# Allegro board 8880F5-0823__zarif.brd (continued)
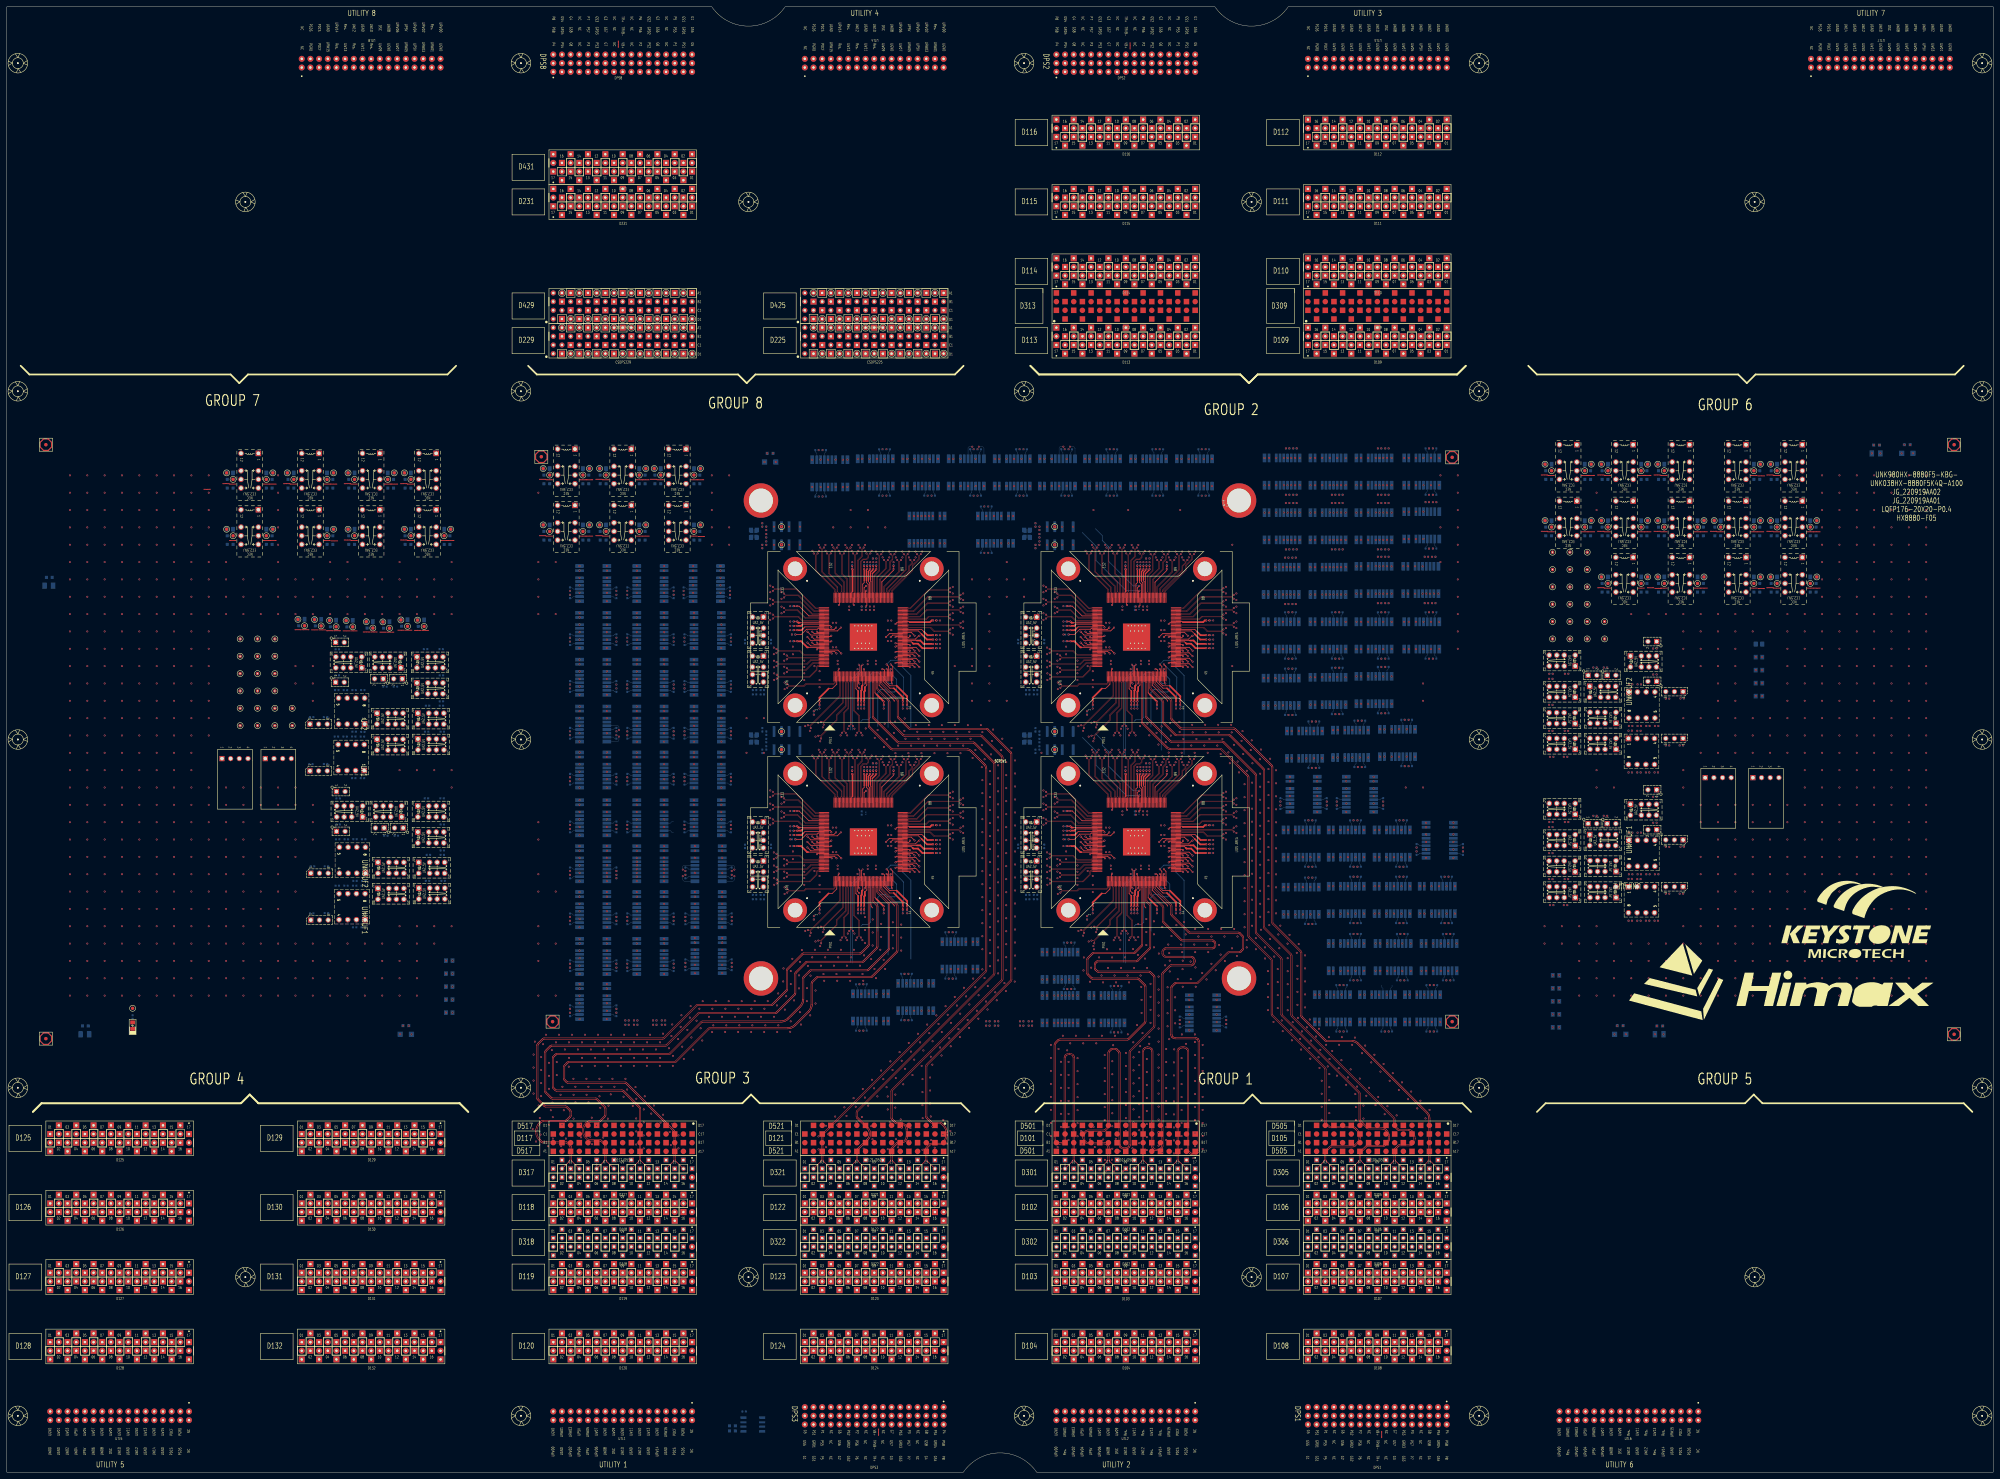
[diagram p0: board, top side]
## Routing (per net, layer and track width the routed paths; a pad name or vN(x,y) marks a point on that pad's centre or on a via; arc(x,y) is an arc through that point) (continued)
D30108: length 192.4
  TOP w0.147: D301.08 323.01,91.01 arc(322.85,91.25) 322.8,91.53 322.8,95.07 arc(322.68,95.64) 322.36,96.12 arc(321.88,96.44) 321.32,96.55 316.66,96.55 arc(316.32,96.62) 316.04,96.81 316.03,96.81 arc(315.6,97.46) 315.45,98.22 arc(315.6,98.97) 316.02,99.6 arc(316.3,99.78) 316.62,99.85 321.27,99.85 arc(321.55,99.9) 321.79,100.06 322.58,100.85 arc(322.74,101.09) 322.8,101.37 322.8,122.89 arc(322.82,123.02) 322.9,123.13 323.43,123.67 arc(323.54,123.74) 323.67,123.77 324.64,123.77 arc(324.77,123.74) 324.88,123.67 325.55,123 arc(325.62,122.88) 325.65,122.75 325.65,95.92 arc(325.73,95.49) 325.98,95.13 arc(326.54,94.75) 327.21,94.61 327.44,94.61 arc(328.11,94.75) 328.68,95.13 arc(328.92,95.5) 329.01,95.93 329.01,123.08 arc(329.04,123.21) 329.11,123.32 336.01,130.22 arc(336.17,130.46) 336.22,130.74 336.22,145.03 arc(336.17,145.31) 336.01,145.55 334.97,146.59 arc(334.73,146.75) 334.45,146.8 319.65,146.8 arc(319.52,146.83) 319.41,146.9 318.93,147.39 arc(318.85,147.5) 318.83,147.63 318.83,148.81 arc(318.85,148.94) 318.93,149.05 319.27,149.39 arc(319.38,149.46) 319.51,149.49 330.73,149.49 arc(331.01,149.55) 331.25,149.7 334.77,153.23 arc(334.93,153.47) 334.99,153.75 334.99,165.93 arc(334.93,166.21) 334.77,166.45 333.93,167.29 arc(333.85,167.4) 333.83,167.53 333.83,171.32 333.83,171.33 SITE4.30
D30110: length 192.4
  TOP w0.147: D301.10 332.3,91 arc(332.46,91.24) 332.52,91.52 332.52,123.31 arc(332.6,123.73) 332.84,124.09 arc(333.41,124.48) 334.09,124.61 arc(334.75,124.48) 335.31,124.1 335.32,124.1 arc(335.54,123.76) 335.62,123.36 335.62,95.4 arc(335.67,95.17) 335.8,94.98 arc(336.26,94.67) 336.81,94.56 arc(337.43,94.68) 337.95,95.03 arc(338.12,95.28) 338.18,95.57 338.18,145.87 arc(338.23,146.16) 338.39,146.4 340.45,148.45 arc(340.69,148.61) 340.97,148.67 346.73,148.67 arc(347,148.72) 347.23,148.87 347.28,148.92 arc(347.52,149.29) 347.61,149.73 arc(347.52,150.17) 347.27,150.55 347.27,150.55 arc(347.04,150.7) 346.77,150.76 339.36,150.76 arc(339.08,150.81) 338.84,150.97 338.47,151.34 arc(338.31,151.59) 338.25,151.88 338.25,152.52 arc(338.31,152.81) 338.47,153.06 338.85,153.44 arc(339.09,153.6) 339.37,153.65 353.04,153.65 arc(353.17,153.68) 353.28,153.75 353.56,154.03 arc(353.62,154.12) 353.64,154.22 353.64,154.91 arc(353.61,155.04) 353.54,155.16 353.21,155.48 arc(353.1,155.56) 352.97,155.58 344.23,155.58 arc(343.95,155.64) 343.71,155.8 338.57,160.94 arc(338.45,161.12) 338.41,161.32 338.41,165.42 arc(338.39,165.55) 338.31,165.66 334.85,169.13 arc(334.69,169.37) 334.63,169.65 334.63,171.32 334.63,171.33 SITE4.32
D30112: length 192.4
  TOP w0.147: D301.12 333.13,91.05 arc(332.97,91.29) 332.91,91.57 332.91,123.31 arc(332.97,123.58) 333.12,123.81 arc(333.57,124.11) 334.09,124.21 arc(334.6,124.11) 335.03,123.82 arc(335.18,123.61) 335.23,123.36 335.23,95.4 arc(335.3,95.02) 335.52,94.7 arc(336.11,94.3) 336.81,94.16 arc(337.58,94.31) 338.23,94.75 arc(338.49,95.13) 338.57,95.57 338.57,145.87 arc(338.6,146) 338.67,146.11 340.73,148.17 arc(340.84,148.24) 340.97,148.27 346.73,148.27 arc(347.15,148.35) 347.51,148.59 347.56,148.64 arc(347.89,149.14) 348.01,149.73 arc(347.89,150.33) 347.55,150.83 arc(347.2,151.07) 346.77,151.15 339.36,151.15 arc(339.23,151.18) 339.12,151.25 338.76,151.62 arc(338.67,151.74) 338.65,151.88 338.65,152.52 arc(338.67,152.66) 338.76,152.78 339.13,153.16 arc(339.24,153.23) 339.37,153.26 353.04,153.26 arc(353.32,153.31) 353.56,153.47 353.7,153.61 353.84,153.75 arc(353.99,153.97) 354.04,154.22 354.04,154.91 arc(353.98,155.2) 353.82,155.44 353.49,155.76 arc(353.25,155.92) 352.97,155.98 344.23,155.98 arc(344.1,156) 343.99,156.08 338.85,161.22 arc(338.82,161.27) 338.81,161.32 338.81,165.42 arc(338.75,165.71) 338.59,165.94 335.13,169.41 arc(335.05,169.52) 335.03,169.65 335.03,171.32 335.03,171.33 SITE4.33
D30114: length 192.4
  TOP w0.147: D301.14 342.47,91.01 arc(342.63,91.25) 342.69,91.53 342.69,123.33 arc(342.77,123.77) 343.03,124.15 arc(343.62,124.54) 344.32,124.68 344.49,124.68 arc(345.18,124.55) 345.77,124.15 345.77,124.15 arc(346.02,123.79) 346.1,123.35 346.1,94.29 arc(346.13,94.16) 346.2,94.05 346.55,93.71 arc(346.99,93.41) 347.5,93.31 arc(348.02,93.41) 348.46,93.71 348.75,93.99 348.75,94 arc(348.83,94.11) 348.85,94.24 348.85,126.09 arc(348.79,126.41) 348.61,126.68 348.61,126.68 arc(348.34,126.86) 348.02,126.92 342.13,126.92 arc(341.62,127.02) 341.19,127.31 341.19,127.31 arc(340.91,127.74) 340.81,128.25 340.81,141.92 arc(340.86,142.2) 341.02,142.44 341.88,143.3 arc(342.12,143.46) 342.4,143.52 348.48,143.52 arc(348.61,143.55) 348.72,143.62 357.43,152.33 arc(357.67,152.49) 357.95,152.54 360.91,152.54 arc(361.04,152.57) 361.15,152.64 361.66,153.15 arc(361.73,153.27) 361.76,153.4 361.76,156.72 arc(361.73,156.85) 361.66,156.96 360.89,157.73 arc(360.78,157.8) 360.65,157.83 346.49,157.83 arc(346.21,157.89) 345.97,158.05 341.02,162.99 arc(340.86,163.23) 340.81,163.51 340.81,165.84 arc(340.78,165.97) 340.71,166.08 335.83,170.95 335.83,171.32 335.83,171.33 SITE4.35
D30116: length 192.4
  TOP w0.147: D301.16 343.3,91.04 arc(343.14,91.28) 343.08,91.56 343.08,123.33 arc(343.14,123.62) 343.31,123.87 343.31,123.87 arc(343.77,124.18) 344.32,124.29 344.49,124.29 arc(345.03,124.18) 345.49,123.87 345.49,123.87 arc(345.65,123.63) 345.71,123.35 345.71,94.29 arc(345.76,94.01) 345.92,93.77 346.27,93.43 arc(346.83,93.05) 347.5,92.91 arc(348.17,93.05) 348.74,93.43 349.03,93.71 arc(349.19,93.95) 349.25,94.24 349.25,126.09 arc(349.15,126.56) 348.89,126.96 arc(348.49,127.23) 348.02,127.32 342.13,127.32 arc(341.77,127.39) 341.47,127.59 341.47,127.59 arc(341.27,127.89) 341.2,128.25 341.2,141.92 arc(341.23,142.05) 341.3,142.16 342.16,143.02 arc(342.27,143.1) 342.4,143.12 348.48,143.12 arc(348.77,143.18) 349.01,143.34 357.71,152.05 arc(357.82,152.12) 357.95,152.15 360.91,152.15 arc(361.19,152.2) 361.43,152.36 361.94,152.87 arc(362.1,153.11) 362.15,153.4 362.15,156.72 arc(362.1,157) 361.94,157.24 361.17,158.01 arc(360.93,158.17) 360.65,158.23 346.49,158.23 arc(346.36,158.25) 346.25,158.33 341.3,163.27 arc(341.23,163.38) 341.2,163.51 341.2,165.84 arc(341.15,166.12) 340.99,166.36 336.23,171.12 336.23,171.32 336.23,171.33 SITE4.36
D30502: length 192.4
  TOP w0.147: SITE2.26 332.23,231.33 332.23,231.32 332.23,219.76 arc(332.29,219.48) 332.45,219.24 339.52,212.17 arc(340.09,211.79) 340.76,211.66 355.4,211.66 arc(355.46,211.64) 355.51,211.61 363.26,203.86 arc(363.34,203.74) 363.36,203.61 363.36,157.18 arc(363.42,156.9) 363.58,156.66 370.12,150.11 arc(370.2,150) 370.22,149.87 370.22,134.19 arc(370.28,133.9) 370.44,133.66 385.85,118.25 arc(385.92,118.14) 385.95,118.01 385.95,102.48 arc(386,102.2) 386.16,101.96 386.98,101.14 arc(387.22,100.98) 387.5,100.93 393.91,100.93 arc(394.36,100.84) 394.75,100.58 395.1,100.22 arc(395.74,99.27) 395.96,98.15 395.96,98.15 arc(395.79,97.27) 395.29,96.52 394.59,95.82 arc(394.41,95.7) 394.19,95.66 387.9,95.66 arc(387.62,95.6) 387.38,95.44 386.07,94.13 arc(385.91,93.89) 385.85,93.61 385.85,91.52 arc(385.8,91.24) 385.64,91 D305.02
D30504: length 192.4
  TOP w0.147: SITE2.27 332.63,231.33 332.63,231.32 332.63,219.76 arc(332.65,219.63) 332.73,219.52 339.8,212.45 arc(340.24,212.16) 340.76,212.05 355.4,212.05 arc(355.61,212.01) 355.79,211.89 363.54,204.14 arc(363.7,203.9) 363.76,203.61 363.76,157.18 arc(363.78,157.05) 363.86,156.94 370.4,150.39 arc(370.56,150.16) 370.62,149.87 370.62,134.19 arc(370.64,134.05) 370.72,133.94 386.13,118.53 arc(386.29,118.29) 386.34,118.01 386.34,102.48 arc(386.37,102.35) 386.44,102.24 387.26,101.42 arc(387.37,101.35) 387.5,101.32 393.91,101.32 arc(394.52,101.2) 395.03,100.86 395.38,100.51 arc(396.11,99.43) 396.36,98.15 396.36,98.15 arc(396.15,97.12) 395.57,96.24 394.87,95.54 arc(394.56,95.34) 394.19,95.26 387.9,95.26 arc(387.77,95.24) 387.66,95.16 386.35,93.85 arc(386.28,93.74) 386.25,93.61 386.25,91.57 arc(386.31,91.29) 386.47,91.05 D305.04
D30506: length 192.4
  TOP w0.147: D305.06 395.8,91 arc(395.96,91.24) 396.01,91.52 396.01,93.35 arc(396.07,93.64) 396.23,93.88 397.9,95.55 arc(398.14,95.71) 398.42,95.77 403,95.77 arc(403.23,95.81) 403.43,95.95 404.01,96.52 arc(404.38,97.08) 404.51,97.73 404.51,98.2 arc(404.31,99.21) 403.74,100.07 arc(403.24,100.4) 402.65,100.52 398.73,100.52 arc(398.45,100.57) 398.21,100.73 396.16,102.78 arc(396,103.02) 395.94,103.3 395.94,110.85 arc(395.92,110.98) 395.84,111.09 373.28,133.65 arc(373.12,133.89) 373.07,134.17 373.07,150.26 arc(373.04,150.39) 372.97,150.5 365.78,157.69 arc(365.62,157.93) 365.56,158.21 365.56,204.16 arc(365.54,204.29) 365.46,204.4 356.18,213.68 arc(356.07,213.75) 355.94,213.78 341.07,213.78 arc(340.79,213.83) 340.55,213.99 333.65,220.9 arc(333.49,221.14) 333.43,221.42 333.43,231.32 333.43,231.33 SITE2.29
D30508: length 192.4
  TOP w0.147: D305.08 396.63,91.05 arc(396.47,91.29) 396.41,91.58 396.41,93.35 arc(396.44,93.48) 396.51,93.6 398.18,95.27 arc(398.29,95.34) 398.42,95.37 403,95.37 arc(403.39,95.45) 403.71,95.67 404.29,96.24 arc(404.75,96.93) 404.91,97.73 404.91,98.2 arc(404.68,99.36) 404.02,100.35 404.02,100.35 arc(403.39,100.76) 402.65,100.91 398.73,100.91 arc(398.6,100.94) 398.49,101.01 396.44,103.06 arc(396.37,103.17) 396.34,103.3 396.34,110.85 arc(396.28,111.13) 396.12,111.37 373.56,133.93 arc(373.49,134.04) 373.46,134.17 373.46,150.26 arc(373.41,150.54) 373.25,150.78 366.06,157.97 arc(365.98,158.08) 365.96,158.21 365.96,204.16 arc(365.9,204.44) 365.74,204.68 356.46,213.96 arc(356.22,214.12) 355.94,214.17 341.07,214.17 arc(340.94,214.2) 340.83,214.27 333.93,221.18 arc(333.85,221.29) 333.83,221.42 333.83,231.32 333.83,231.33 SITE2.30
D30510: length 192.4
  TOP w0.147: D305.10 405.97,91.01 arc(406.13,91.25) 406.19,91.53 406.19,94.3 arc(406.25,94.61) 406.42,94.87 407.29,95.74 arc(407.55,95.91) 407.86,95.97 410.79,95.97 arc(411.11,96.04) 411.38,96.22 arc(411.86,96.94) 412.03,97.79 412.03,97.79 arc(411.82,98.82) 411.24,99.69 arc(410.82,99.97) 410.32,100.07 407.7,100.07 arc(407.42,100.12) 407.18,100.28 406.33,101.13 arc(406.17,101.37) 406.12,101.65 406.12,103.38 arc(406.09,103.51) 406.02,103.62 376.2,133.44 arc(376.04,133.68) 375.98,133.97 375.98,151.27 arc(375.95,151.4) 375.88,151.51 368.14,159.26 arc(367.98,159.49) 367.92,159.78 367.92,205.65 arc(367.9,205.78) 367.82,205.89 358.11,215.6 arc(358,215.68) 357.87,215.7 342.53,215.7 arc(342.25,215.76) 342.01,215.92 338.61,219.32 arc(338.45,219.56) 338.4,219.84 338.4,225.54 arc(338.37,225.67) 338.3,225.79 334.85,229.24 arc(334.69,229.47) 334.63,229.76 334.63,231.32 334.63,231.33 SITE2.32
D30512: length 192.4
  TOP w0.147: D305.12 406.8,91.04 arc(406.64,91.28) 406.58,91.56 406.58,94.3 arc(406.61,94.46) 406.71,94.59 407.57,95.46 arc(407.7,95.55) 407.86,95.58 410.79,95.58 arc(411.26,95.67) 411.66,95.94 arc(412.22,96.79) 412.42,97.79 412.42,97.79 arc(412.19,98.97) 411.52,99.97 411.52,99.97 arc(410.97,100.34) 410.32,100.46 407.7,100.46 arc(407.57,100.49) 407.46,100.56 406.61,101.41 arc(406.54,101.52) 406.51,101.65 406.51,103.38 arc(406.46,103.67) 406.3,103.9 376.48,133.72 arc(376.4,133.84) 376.38,133.97 376.38,151.27 arc(376.32,151.56) 376.16,151.79 368.42,159.54 arc(368.35,159.65) 368.32,159.78 368.32,205.65 arc(368.26,205.93) 368.1,206.17 358.39,215.88 arc(358.15,216.04) 357.87,216.1 342.53,216.1 arc(342.4,216.12) 342.29,216.2 338.89,219.6 arc(338.82,219.71) 338.79,219.84 338.79,225.54 arc(338.74,225.83) 338.58,226.07 335.13,229.52 arc(335.05,229.63) 335.03,229.76 335.03,231.32 335.03,231.33 SITE2.33
D30514: length 192.4
  TOP w0.147: D305.14 416.14,91.02 arc(416.3,91.26) 416.36,91.54 416.36,103.65 arc(416.2,104.46) 415.74,105.14 395.38,125.5 arc(394.7,125.95) 393.9,126.11 386.49,126.11 arc(386.21,126.17) 385.97,126.33 379.06,133.24 arc(378.9,133.48) 378.85,133.76 378.85,152.17 arc(378.82,152.3) 378.75,152.41 370.57,160.58 arc(370.41,160.82) 370.36,161.11 370.36,206.58 arc(370.33,206.71) 370.26,206.82 359.55,217.53 arc(359.44,217.61) 359.3,217.63 344.01,217.63 arc(343.73,217.69) 343.49,217.85 340.99,220.35 arc(340.83,220.59) 340.77,220.87 340.77,225.87 arc(340.75,226) 340.67,226.11 335.83,230.95 335.83,231.32 335.83,231.33 SITE2.35
D30516: length 192.4
  TOP w0.147: D305.16 416.97,91.03 arc(416.81,91.27) 416.76,91.55 416.76,103.65 arc(416.57,104.61) 416.03,105.42 395.66,125.78 arc(394.86,126.32) 393.9,126.51 386.49,126.51 arc(386.36,126.54) 386.25,126.61 379.34,133.52 arc(379.27,133.63) 379.24,133.76 379.24,152.17 arc(379.19,152.45) 379.03,152.69 370.85,160.86 arc(370.78,160.98) 370.75,161.11 370.75,206.58 arc(370.7,206.86) 370.54,207.1 359.83,217.81 arc(359.59,217.97) 359.3,218.03 344.01,218.03 arc(343.88,218.05) 343.77,218.13 341.27,220.63 arc(341.2,220.74) 341.17,220.87 341.17,225.87 arc(341.11,226.15) 340.95,226.39 336.23,231.12 336.23,231.32 336.23,231.33 SITE2.36
D31702: length 192.4
  TOP w0.147: D317.02 164.7,91.04 arc(164.86,91.27) 164.91,91.56 164.91,95.29 arc(164.89,95.42) 164.81,95.53 164.03,96.32 arc(163.91,96.39) 163.78,96.42 157,96.42 arc(156.71,96.47) 156.47,96.63 155.8,97.31 arc(155.07,98.39) 154.82,99.67 arc(155.13,101.25) 156.03,102.59 156.08,102.64 arc(156.58,102.97) 157.16,103.09 163.5,103.09 arc(163.63,103.11) 163.74,103.19 164.81,104.26 arc(164.89,104.37) 164.91,104.5 164.91,105.59 arc(164.89,105.72) 164.81,105.83 163.8,106.84 arc(163.69,106.91) 163.56,106.94 157.81,106.94 arc(157.52,107) 157.29,107.15 155.37,109.07 arc(155.21,109.31) 155.15,109.59 155.15,125.04 arc(155.21,125.32) 155.37,125.56 156.82,127.02 arc(157.06,127.18) 157.34,127.23 192.08,127.23 arc(192.21,127.26) 192.32,127.33 201.84,136.86 arc(202.08,137.01) 202.36,137.07 223.86,137.07 arc(223.99,137.1) 224.1,137.17 228.16,141.23 arc(228.23,141.34) 228.26,141.47 228.26,147.03 arc(228.31,147.31) 228.47,147.55 232.83,151.91 arc(233.07,152.07) 233.35,152.13 249.77,152.13 arc(249.9,152.15) 250.01,152.23 252.13,154.35 arc(252.21,154.46) 252.23,154.59 252.23,171.32 252.23,171.33 SITE3.26
D31704: length 192.4
  TOP w0.147: D317.04 165.52,91.02 arc(165.36,91.26) 165.31,91.54 165.31,95.29 arc(165.25,95.57) 165.09,95.81 164.31,96.6 arc(164.07,96.76) 163.78,96.81 157,96.81 arc(156.86,96.84) 156.75,96.91 156.08,97.59 arc(155.44,98.54) 155.22,99.67 arc(155.5,101.1) 156.31,102.31 156.36,102.36 arc(156.73,102.61) 157.16,102.69 163.5,102.69 arc(163.78,102.75) 164.02,102.91 165.09,103.98 arc(165.25,104.22) 165.31,104.5 165.31,105.59 arc(165.25,105.87) 165.09,106.11 164.08,107.12 arc(163.84,107.28) 163.56,107.34 157.81,107.34 arc(157.68,107.36) 157.57,107.44 155.65,109.35 arc(155.58,109.46) 155.55,109.59 155.55,125.04 arc(155.58,125.17) 155.65,125.28 157.1,126.73 arc(157.21,126.81) 157.34,126.83 192.08,126.83 arc(192.36,126.89) 192.6,127.05 202.12,136.58 arc(202.23,136.65) 202.36,136.67 223.86,136.67 arc(224.14,136.73) 224.38,136.89 228.44,140.95 arc(228.6,141.18) 228.65,141.47 228.65,147.03 arc(228.68,147.16) 228.75,147.27 233.11,151.63 arc(233.22,151.71) 233.35,151.73 249.77,151.73 arc(250.05,151.79) 250.29,151.95 252.41,154.07 arc(252.57,154.31) 252.63,154.59 252.63,171.32 252.63,171.33 SITE3.27
D31706: length 192.4
  TOP w0.147: SITE3.29 253.43,171.33 253.43,171.32 253.43,167.46 arc(253.49,167.18) 253.65,166.94 254.62,165.97 arc(254.69,165.86) 254.72,165.73 254.72,153.91 arc(254.69,153.78) 254.62,153.67 250.73,149.78 arc(250.62,149.71) 250.49,149.68 234.4,149.68 arc(234.12,149.63) 233.88,149.47 230.88,146.47 arc(230.72,146.23) 230.67,145.95 230.67,140.34 arc(230.64,140.21) 230.57,140.1 225.29,134.82 arc(225.18,134.75) 225.05,134.72 202.88,134.72 arc(202.6,134.67) 202.36,134.51 193.09,125.24 arc(192.98,125.17) 192.85,125.14 159.57,125.14 arc(159.29,125.08) 159.05,124.93 157.66,123.54 arc(157.5,123.3) 157.45,123.02 157.45,111.6 arc(157.5,111.32) 157.66,111.08 159.28,109.46 arc(159.52,109.3) 159.81,109.24 172.43,109.24 arc(172.56,109.22) 172.67,109.14 174.97,106.84 arc(175.04,106.73) 175.07,106.6 175.07,104.63 arc(175.04,104.5) 174.97,104.39 173.61,103.04 arc(173.5,102.96) 173.37,102.94 170.84,102.94 arc(170.14,102.8) 169.55,102.4 169.41,102.26 arc(168.5,100.07) 169.41,97.88 170.08,97.21 arc(170.32,97.05) 170.6,96.99 173.7,96.99 arc(173.83,96.97) 173.95,96.89 174.97,95.87 arc(175.04,95.76) 175.07,95.63 175.07,91.55 arc(175.01,91.27) 174.85,91.03 D317.06
D31708: length 192.4
  TOP w0.147: D317.08 175.68,91.02 arc(175.52,91.26) 175.46,91.54 175.46,95.63 arc(175.41,95.91) 175.25,96.15 174.23,97.17 arc(173.99,97.33) 173.7,97.39 170.6,97.39 arc(170.47,97.41) 170.36,97.49 169.69,98.16 arc(168.9,100.07) 169.69,101.98 169.83,102.12 arc(170.29,102.43) 170.84,102.54 173.37,102.54 arc(173.66,102.6) 173.89,102.76 175.25,104.11 arc(175.41,104.35) 175.46,104.63 175.46,106.6 arc(175.41,106.88) 175.25,107.12 172.95,109.42 arc(172.71,109.58) 172.43,109.64 159.81,109.64 arc(159.67,109.67) 159.56,109.74 157.94,111.36 arc(157.87,111.47) 157.84,111.6 157.84,123.02 arc(157.87,123.15) 157.94,123.26 159.33,124.64 arc(159.44,124.72) 159.57,124.74 192.85,124.74 arc(193.13,124.8) 193.37,124.96 202.64,134.23 arc(202.75,134.3) 202.88,134.33 225.05,134.33 arc(225.33,134.38) 225.57,134.54 230.85,139.82 arc(231.01,140.05) 231.06,140.34 231.06,145.95 arc(231.09,146.08) 231.16,146.19 234.16,149.19 arc(234.27,149.26) 234.4,149.29 250.49,149.29 arc(250.77,149.34) 251.01,149.5 254.9,153.39 arc(255.06,153.63) 255.11,153.91 255.11,165.73 arc(255.06,166.01) 254.9,166.25 253.93,167.22 arc(253.85,167.33) 253.83,167.46 253.83,171.32 253.83,171.33 SITE3.30
D31710: length 192.4
  TOP w0.147: SITE3.32 254.63,171.33 254.63,171.32 254.63,170.21 arc(254.69,169.93) 254.85,169.69 258.03,166.5 arc(258.11,166.39) 258.13,166.26 258.13,153.46 arc(258.11,153.33) 258.03,153.22 252.15,147.34 arc(252.04,147.26) 251.91,147.24 235.58,147.24 arc(235.3,147.18) 235.06,147.02 233.21,145.18 arc(233.06,144.94) 233,144.66 233,138.57 233,138.57 arc(232.78,137.46) 232.15,136.52 228.68,133.05 arc(227.74,132.43) 226.63,132.21 203.78,132.21 arc(203.5,132.15) 203.26,131.99 194.05,122.78 arc(193.94,122.71) 193.81,122.68 161.05,122.68 arc(160.77,122.62) 160.53,122.46 159.94,121.87 arc(159.78,121.63) 159.72,121.35 159.72,112.87 arc(159.78,112.59) 159.94,112.35 160.47,111.81 arc(160.71,111.65) 161,111.59 180.14,111.59 arc(180.27,111.57) 180.38,111.49 185.1,106.78 arc(185.17,106.67) 185.2,106.54 185.2,91.52 arc(185.14,91.24) 184.98,91 D317.10
D31712: length 192.4
  TOP w0.147: SITE3.33 255.03,171.33 255.03,171.32 255.03,170.21 arc(255.05,170.08) 255.13,169.97 258.31,166.79 arc(258.47,166.55) 258.53,166.26 258.53,153.46 arc(258.47,153.18) 258.31,152.94 252.43,147.06 arc(252.19,146.9) 251.91,146.84 235.58,146.84 arc(235.45,146.82) 235.34,146.74 233.5,144.9 arc(233.42,144.79) 233.4,144.66 233.4,138.57 arc(233.15,137.31) 232.43,136.24 228.96,132.77 arc(227.89,132.06) 226.63,131.81 203.78,131.81 arc(203.65,131.78) 203.54,131.71 194.33,122.5 arc(194.09,122.34) 193.81,122.28 161.05,122.28 arc(160.92,122.26) 160.81,122.18 160.22,121.59 arc(160.14,121.48) 160.12,121.35 160.12,112.87 arc(160.14,112.74) 160.22,112.63 160.75,112.09 arc(160.87,112.01) 161,111.99 180.14,111.99 arc(180.42,111.93) 180.66,111.77 185.38,107.06 arc(185.54,106.82) 185.6,106.54 185.6,91.57 arc(185.65,91.29) 185.81,91.05 D317.12
D31714: length 192.4
  TOP w0.147: SITE3.35 255.83,171.33 255.83,171.32 255.83,171.08 arc(255.87,170.87) 255.99,170.69 260.49,166.19 arc(260.56,166.08) 260.59,165.95 260.59,152.8 arc(260.56,152.67) 260.49,152.56 253.28,145.36 arc(253.17,145.29) 253.04,145.26 237.53,145.26 arc(237.25,145.2) 237.01,145.04 235.72,143.75 arc(235.56,143.51) 235.5,143.23 235.5,137.11 arc(235.28,136.02) 234.67,135.09 230.66,131.09 arc(229.73,130.47) 228.64,130.25 205.88,130.25 arc(205.6,130.2) 205.36,130.04 195.76,120.44 arc(195.65,120.36) 195.52,120.34 164.55,120.34 arc(164.27,120.28) 164.03,120.12 163.21,119.31 arc(163.05,119.07) 163,118.79 163,115.24 arc(163.05,114.96) 163.21,114.72 163.79,114.14 arc(164.03,113.98) 164.32,113.93 180.98,113.93 arc(181.11,113.9) 181.22,113.83 195.26,99.79 arc(195.33,99.68) 195.36,99.55 195.36,91.52 arc(195.3,91.24) 195.14,91 D317.14
D31716: length 192.4
  TOP w0.147: SITE3.36 256.23,171.33 256.23,171.32 256.23,171.08 arc(256.24,171.02) 256.27,170.97 260.77,166.48 arc(260.93,166.24) 260.98,165.95 260.98,152.8 arc(260.93,152.52) 260.77,152.28 253.57,145.08 arc(253.33,144.92) 253.04,144.86 237.53,144.86 arc(237.4,144.84) 237.29,144.76 236,143.47 arc(235.92,143.36) 235.9,143.23 235.9,137.11 arc(235.65,135.87) 234.95,134.81 230.94,130.81 arc(229.88,130.1) 228.64,129.85 205.88,129.85 arc(205.75,129.83) 205.64,129.76 196.04,120.16 arc(195.8,120) 195.52,119.94 164.55,119.94 arc(164.42,119.92) 164.31,119.84 163.49,119.03 arc(163.42,118.92) 163.39,118.79 163.39,115.24 arc(163.42,115.11) 163.49,115 164.07,114.42 arc(164.18,114.35) 164.32,114.32 180.98,114.32 arc(181.26,114.27) 181.5,114.11 195.54,100.07 arc(195.7,99.83) 195.75,99.55 195.75,91.57 arc(195.81,91.29) 195.97,91.05 D317.16
D32102: length 192.4
  TOP w0.147: D321.02 238.38,91.06 arc(238.54,91.3) 238.59,91.58 238.59,98.62 arc(238.65,98.9) 238.81,99.14 286.48,146.81 arc(286.55,146.92) 286.58,147.05 286.58,206.14 arc(286.47,206.69) 286.16,207.15 282.19,211.12 arc(281.72,211.43) 281.18,211.54 259.33,211.54 arc(259.04,211.6) 258.81,211.76 252.45,218.11 arc(252.29,218.35) 252.23,218.64 252.23,231.32 252.23,231.33 SITE1.26
D32104: length 192.4
  TOP w0.147: D321.04 239.2,91 arc(239.04,91.23) 238.99,91.52 238.99,98.62 arc(239.01,98.75) 239.09,98.86 286.76,146.53 arc(286.92,146.77) 286.98,147.05 286.98,206.14 arc(286.84,206.84) 286.44,207.43 282.47,211.4 arc(281.88,211.8) 281.18,211.94 259.33,211.94 arc(259.2,211.96) 259.09,212.04 252.73,218.39 arc(252.65,218.51) 252.63,218.64 252.63,231.32 252.63,231.33 SITE1.27
D32106: length 192.4
  TOP w0.147: SITE1.29 253.43,231.33 253.43,231.32 253.43,221.34 arc(253.49,221.06) 253.65,220.82 260.72,213.75 arc(260.95,213.59) 261.24,213.54 282.95,213.54 arc(283.08,213.51) 283.19,213.44 288.87,207.76 arc(288.94,207.65) 288.97,207.52 288.97,146.11 arc(288.94,145.98) 288.87,145.87 248.9,105.91 arc(248.74,105.67) 248.69,105.39 248.69,104.2 arc(248.74,103.92) 248.9,103.68 251.97,100.62 arc(252.4,99.97) 252.55,99.2 252.55,99.08 arc(252.4,98.31) 251.97,97.66 248.95,94.64 arc(248.79,94.4) 248.74,94.12 248.74,91.56 arc(248.68,91.28) 248.52,91.04 D321.06
D32108: length 192.4
  TOP w0.147: SITE1.30 253.83,231.33 253.83,231.32 253.83,221.34 arc(253.85,221.21) 253.93,221.1 261,214.03 arc(261.11,213.96) 261.24,213.93 282.95,213.93 arc(283.23,213.88) 283.47,213.72 289.15,208.04 arc(289.31,207.8) 289.36,207.52 289.36,146.11 arc(289.31,145.83) 289.15,145.59 249.18,105.63 arc(249.11,105.52) 249.08,105.39 249.08,104.2 arc(249.11,104.07) 249.18,103.96 252.25,100.9 arc(252.77,100.12) 252.95,99.2 252.95,99.08 arc(252.77,98.16) 252.25,97.38 249.23,94.36 arc(249.16,94.25) 249.13,94.12 249.13,91.53 arc(249.19,91.25) 249.35,91.01 D321.08
D32110: length 192.4
  TOP w0.147: SITE1.32 254.63,231.33 254.63,231.32 254.63,229.68 arc(254.69,229.4) 254.85,229.16 258.13,225.88 arc(258.2,225.77) 258.23,225.64 258.23,220.21 arc(258.29,219.93) 258.45,219.69 262.34,215.8 arc(262.58,215.64) 262.86,215.58 285.09,215.58 arc(285.22,215.55) 285.33,215.48 291.24,209.57 arc(291.31,209.46) 291.34,209.33 291.34,144.47 arc(291.31,144.34) 291.24,144.23 259.08,112.07 arc(258.92,111.83) 258.86,111.55 258.86,103.77 arc(258.92,103.49) 259.08,103.25 260.09,102.24 arc(260.33,102.08) 260.61,102.02 261.58,102.02 arc(262.25,101.89) 262.82,101.51 arc(263.2,100.94) 263.34,100.27 263.34,98.31 arc(263.23,97.75) 262.91,97.28 262.84,97.21 arc(262.36,96.89) 261.8,96.78 261.07,96.78 arc(260.79,96.72) 260.55,96.56 259.08,95.09 arc(258.92,94.85) 258.86,94.57 258.86,91.53 arc(258.81,91.25) 258.65,91.01 D321.10
D32112: length 192.4
  TOP w0.147: D321.12 259.48,91.04 arc(259.32,91.28) 259.26,91.56 259.26,94.57 arc(259.29,94.7) 259.36,94.81 260.83,96.28 arc(260.94,96.35) 261.07,96.38 261.8,96.38 arc(262.51,96.52) 263.12,96.93 263.19,97 arc(263.59,97.6) 263.73,98.31 263.73,100.27 arc(263.57,101.09) 263.1,101.79 arc(262.41,102.26) 261.58,102.42 260.61,102.42 arc(260.48,102.45) 260.37,102.52 259.36,103.53 arc(259.29,103.64) 259.26,103.77 259.26,111.55 arc(259.29,111.68) 259.36,111.79 291.52,143.95 arc(291.68,144.19) 291.74,144.47 291.74,209.33 arc(291.68,209.61) 291.52,209.85 285.61,215.76 arc(285.37,215.92) 285.09,215.98 262.86,215.98 arc(262.73,216) 262.62,216.08 258.73,219.97 arc(258.65,220.08) 258.63,220.21 258.63,225.64 arc(258.57,225.92) 258.41,226.16 255.13,229.44 arc(255.05,229.55) 255.03,229.68 255.03,231.32 255.03,231.33 SITE1.33
